# Altium PCB RS2-708_V008.PcbDoc (part 3 of 4) (continued)
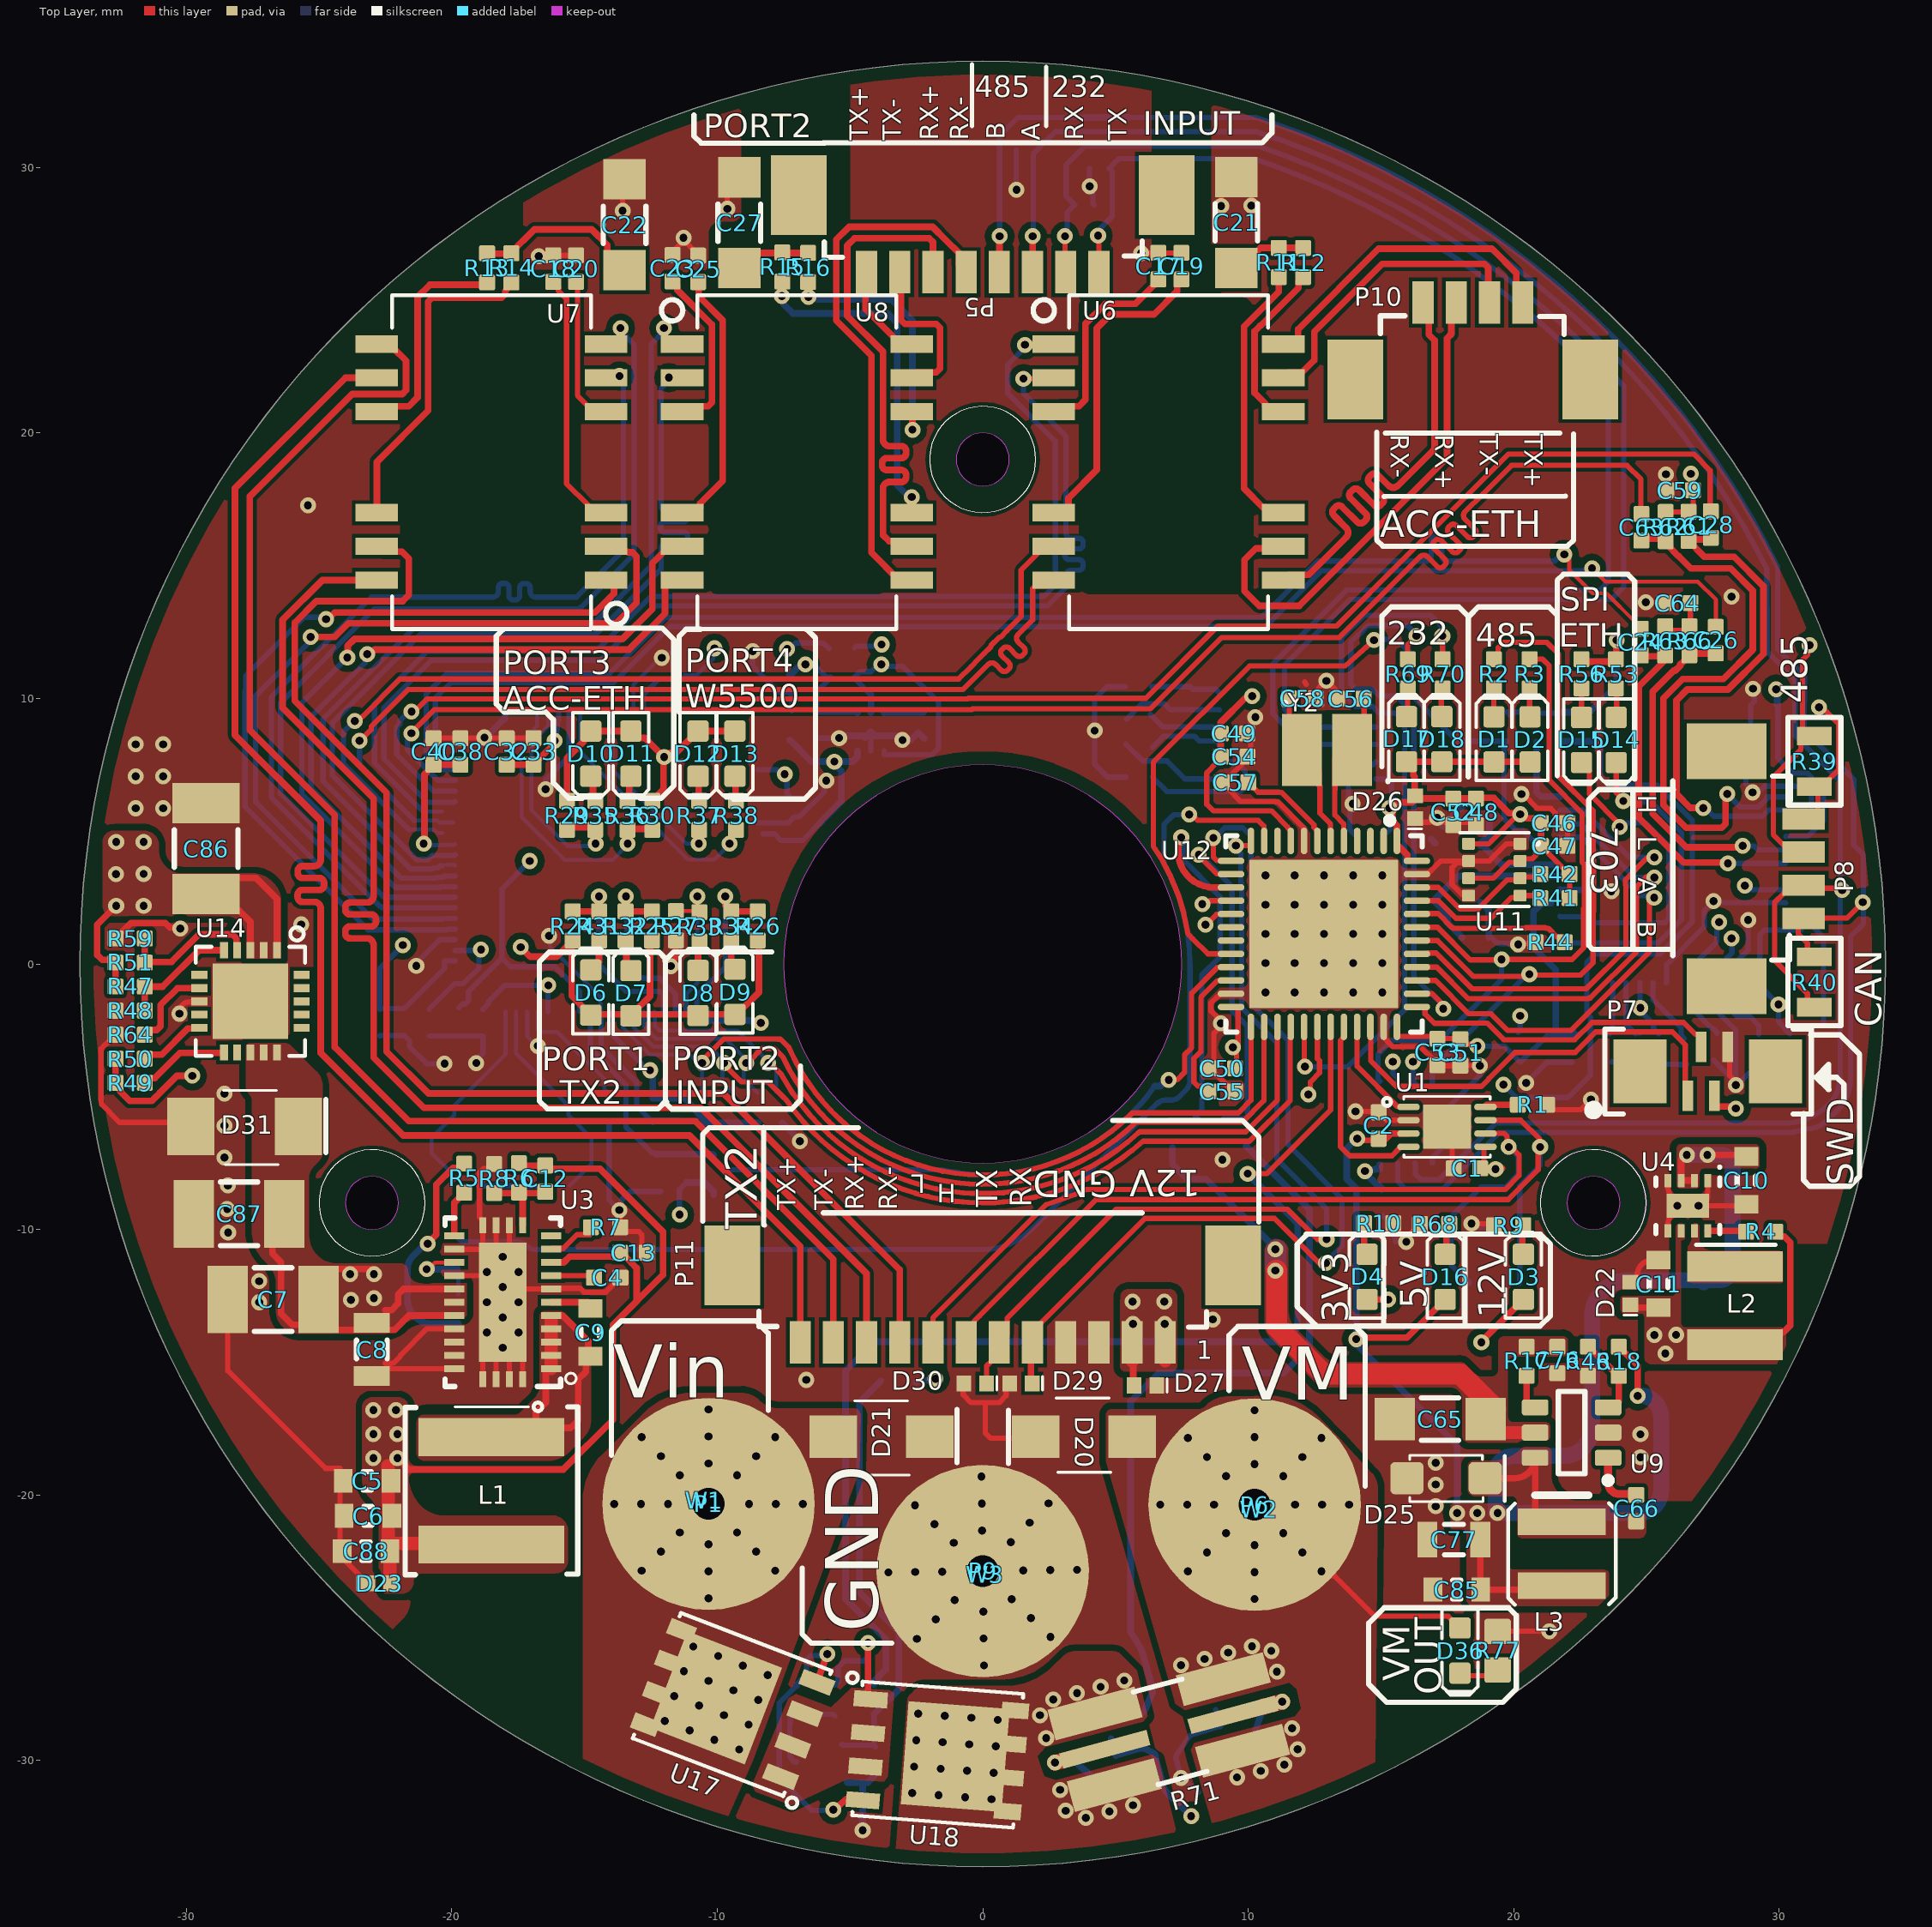
[diagram p0: Top Layer view]
## Nets (pads, with @x,y where several pads share a name; then routed paths per layer and width w, separated by ;. In a path a pad name is that pad's centre, name@x,y a point inside that pad or via, vN(x,y) a via of type N, cw(c..) or ccw(c..) an arc to the next point about the centre after c; other vN are vias at no path point) (continued)
  Bottom Layer w0.25: v1(-18.768,8.527) -18.728,8.527 -18.043,9.212 -18.023,9.212 -17.998,9.237 U10.21@-17.998,9.587 ; C43.2@-12.446,-5.91 C42.2@-11.455,-5.91 ; U10.61@-10.348,-1.813 -10.348,-2.135 -8.73,-2.135 -8.604,-2.261 -8.564,-2.221 v1(-8.354,-2.221) ; R22.2@-7.544,-5.986 -6.883,-6.646 v1(-6.883,-6.68) ; v1(-5.41,8.509) -5.326,8.594 -4.49,8.594 -4.425,8.529 U5.7@-4.216,8.738 -4.072,8.594 -3.278,8.594 -3.117,8.433 v1(-3.023,8.433) -2.71,8.433 -2.43,8.712 C16.2@-2.21,8.492 ; T1.2@-5.109,-30.82 -5.093,-30.835 -4.331,-30.835 R75.2@-4.094,-30.598 ; v1@-4.522,-32.664 -4.522,-30.938 ; Y3.2@16.885,4.699 Y3.2@17.037,4.547 ; v1(17.119,5.502) 17.119,5.374 17.317,5.176 C61.1@18.085,5.944 ; Y3.4@18.739,2.337 19.061,2.015 C60.1@19.061,0.991 ; U13.29@21.743,2.793 21.747,2.789 23.024,2.789 23.029,2.785 23.639,2.785 23.678,2.746 v1(23.678,2.737)
  other v1: -4.522,-32.632 17.059,-20.426 17.059,-19.608 17.059,-18.789 24.773,-18.576 24.773,-17.713 -6.641,-15.665 8.661,-13.391 -27.252,-12.742 -27.252,-11.947 15.954,-10.467 -28.423,-10.113 -28.457,-9.233 -28.426,-8.348 9.03,-7.37 -28.56,-7.295 -28.56,-6.091 -28.56,-4.887 8.969,-2.236 -31.9,5.863 -30.866,5.863 13.935,6.028 -31.9,7.068 -30.866,7.068 -31.9,8.272 -30.866,8.272 10.269,9.29 12.948,10.66 -12.09,11.532 -13.564,28.364
  other v2: 0.05,-26.422 -2.479,-25.415 0.036,-25.406 2.549,-25.345 -1.771,-24.687 1.821,-24.637 0.021,-24.39 -1.062,-23.959 1.093,-23.928 -3.556,-22.916 -2.54,-22.902 -1.524,-22.887 1.524,-22.844 2.54,-22.83 3.556,-22.816 -1.093,-21.803 1.062,-21.773 -0.021,-21.342 -1.821,-21.095 1.771,-21.045 -2.549,-20.387 -0.036,-20.326 2.479,-20.316 -0.05,-19.31 26.158,-9.106 10.652,-1.07 11.752,-1.07 12.852,-1.07 13.952,-1.07 15.052,-1.07 10.652,0.03 11.752,0.03 12.852,0.03 13.952,0.03 15.052,0.03 10.652,1.13 11.752,1.13 12.852,1.13 13.952,1.13 15.052,1.13 10.652,2.23 11.752,2.23 12.852,2.23 13.952,2.23 15.052,2.23 10.652,3.33 11.752,3.33 12.852,3.33 13.952,3.33 15.052,3.33
  other v3: -30.256,-1.874 -25.672,1.486 28.207,13.83 -25.415,17.274
  other v4: 0,-22.866
INPUT_OVLO: R47.1 R48.2 U14.5 | length 4.5
  Top Layer w0.25: R48.2@-31.562,-1.759 R47.1@-31.562,-0.854 -30.884,-0.854 -29.513,0.517 U14.5@-28.58,0.517
INPUT_UVLO: R51.1 R59.2 U14.4 | length 5.3
  Top Layer w0.25: R51.1@-31.588,0.076 -30.558,0.076 -29.523,1.111 -28.252,1.111 -28.105,0.965 -28.105,0.542 U14.4@-28.08,0.517 ; R51.1@-31.562,0.051 R59.2@-31.562,0.957
KSZ_ISET: R23.2 U10.77 | length 4.8
  Bottom Layer w0.15: U10.77@-16.773,-1.788 -16.773,-2.467 -16.685,-2.555 -16.021,-2.555 -14.248,-4.329 -14.248,-4.71 R23.2@-14.072,-4.886 ; R23.2@-14.16,-4.975 R23.2@-14.021,-5.114
KSZ_MISO: R22.1 U10.66 U12.27 | length 31.2
  Top Layer w0.2: v1@-8.132,-3.608 -7.609,-4.131 cw(c-7.75,-4.273) -7.575,-4.176 ccw(c0,0) -7.206,-4.785 cw(c-7.373,-4.896) -7.18,-4.842 ; -7.162,-4.851 ccw(c0,0) -7.138,-4.885 ccw(c0,0) 5.849,-6.373 ccw(c0,0) 5.913,-6.313 5.944,-6.325 9.905,-6.325 11.093,-5.137 11.093,-2.379 U12.27@11.102,-2.37
  Bottom Layer w0.15: U10.66@-12.373,-1.788 -12.348,-1.813 -12.348,-2.332 -12.166,-2.513 -9.247,-2.513 -8.28,-3.48 ; v1@-7.982,-3.736 -7.772,-3.946 R22.1@-7.772,-4.826
  other v1: -8.077,-3.73
KSZ_MOSI: R21.1 U10.68 U12.28 | length 32.8
  Top Layer w0.2: v1@-9.779,-3.738 -9.779,-3.747 -9.081,-4.445 -8.077,-4.445 -7.468,-5.055 ; -7.41,-5.108 ccw(c0,0) 6.026,-6.685 ; 6.045,-6.68 10.045,-6.68 11.582,-5.143 11.582,-2.8 11.593,-2.79 11.593,-2.379 U12.28@11.602,-2.37
  Bottom Layer w0.15: U10.68@-13.173,-1.788 -13.148,-1.813 -13.148,-2.38 -12.415,-3.113 -10.298,-3.113 v1@-9.817,-3.594 ; v1@-9.804,-3.785 -9.804,-4.378 -9.648,-4.534 -9.648,-4.661 -9.517,-4.792 R21.1@-9.39,-4.792
  other v1: -9.739,-3.73
KSZ_NCS: R20.1 U10.69 U12.25 | length 32
  Top Layer w0.2: v1@-10.617,-3.689 -9.759,-2.83 -7.704,-2.83 -7.7,-2.834 -7.621,-2.834 -7.311,-3.144 ; -7.304,-3.138 ccw(c0,0) 5.609,-5.634 ; 5.639,-5.613 9.627,-5.613 10.107,-5.133 10.107,-2.375 U12.25@10.102,-2.37
  Bottom Layer w0.15: U10.69@-13.573,-1.788 -13.548,-1.813 -13.548,-2.404 -12.539,-3.413 -11.065,-3.413 ; -11.043,-3.422 -10.566,-3.899 -10.566,-4.733 -10.368,-4.932 R20.1@-10.38,-4.945
  other v1: -10.57,-3.73
KSZ_nRST: C31.1 D5.2 R28.2 U10.72 U12.21 | length 33
  Top Layer w0.2: v1(7.005,-4.364) 7.32,-4.364 7.606,-4.078 7.606,-3.418 7.866,-3.159 7.866,-1.1 8.837,-0.129 9.343,-0.129 U12.21@9.352,-0.12
  Bottom Layer w0.2: U10.72@-14.773,-1.788 -14.773,-3.213 -13.437,-4.549 -13.437,-6.147 -13.24,-6.344 ; -13.233,-6.337 -12.444,-7.126 C31.1@-12.344,-7.126 ; D5.2@-10.135,-7.2 -10.135,-7.325 -9.771,-7.689 -9.712,-7.748 -1.544,-7.748 -1.299,-7.796 -1.283,-7.812 -1.161,-7.824 -1.141,-7.828 -1.121,-7.828 -0.987,-7.841 -0.976,-7.844 ccw(c0,-3.425) 0,-7.95 ccw(c0,0) 6.482,-4.602 ccw(c0,0) 6.503,-4.573
  Bottom Layer w0.25: C31.1@-12.344,-7.126 -12.307,-7.163 -10.172,-7.163 D5.2@-10.135,-7.2 ; 6.474,-4.602 6.482,-4.602 6.684,-4.602 6.922,-4.364 v1(7.005,-4.364)
KSZ_SCK: R19.1 U10.67 U12.26 | length 31.5
  Top Layer w0.2: v1@-8.81,-3.686 -8.305,-3.18 -7.849,-3.18 -7.527,-3.502 -7.527,-3.517 -7.51,-3.534 ccw(c0,0) 5.767,-5.969 ; 5.791,-5.963 9.772,-5.963 10.593,-5.142 10.593,-2.379 U12.26@10.602,-2.37
  Bottom Layer w0.15: U10.67@-12.773,-1.788 -12.748,-1.813 -12.748,-2.356 -12.291,-2.813 -9.698,-2.813 -9.189,-3.322 -9.189,-3.328 v1@-9.007,-3.51 ; v1@-9.007,-3.743 -9.007,-4.288 -9.032,-4.312 -8.492,-4.851 R19.1@-8.484,-4.851
  other v1: -8.908,-3.73
LED1_0: R24.1 R31.1 U10.65 | length 7.4
  Top Layer w0.25: R24.1@-15.443,1.981 R31.1@-14.448,1.981 -14.335,1.981 R31.1@-14.327,1.973
  Bottom Layer w0.2: v1@-14.474,2.66 -14.474,0.006 -13.429,-1.038 -12.17,-1.038 -12.023,-1.185 -12.023,-1.788 U10.65@-11.973,-1.788
  other v1: -14.454,2.542
LED1_1: R25.1 R32.1 U10.64 | length 6.7
  Top Layer w0.25: R32.1@-13.453,1.981 -12.518,1.981 R25.1@-12.459,1.922
  Bottom Layer w0.2: v1@-13.405,2.666 -13.405,-0.099 -12.98,-0.524 -12.837,-0.524 -12.819,-0.542 -12.171,-0.542 -11.573,-1.14 U10.64@-11.573,-1.788
  other v1: -13.437,2.542
LED2_0: R27.1 R33.1 U10.63 | length 5.7
  Top Layer w0.15: R27.1@-11.555,1.989 R33.1@-10.711,1.989 ; v1@-10.752,2.424 -10.752,2.029 R33.1@-10.711,1.989 ; R33.1@-10.691,1.969 R33.1@-10.711,1.989
  Bottom Layer w0.15: -11.173,-1.14 -10.752,-0.719 v1@-10.752,2.424
  Bottom Layer w0.2: U10.63@-11.173,-1.788 -11.173,-1.14
  other v1: -10.752,2.542
LED2_1: R26.1 R34.1 U10.62 | length 6.2
  Top Layer w0.25: v1@-9.693,2.3 -9.693,2.205 -9.626,2.138 -9.626,2.037 R34.1@-9.469,1.879 ; R34.1@-9.472,1.981 -8.485,1.981 R26.1@-8.389,1.885
  Bottom Layer w0.2: U10.62@-10.773,-1.788 -10.773,-1.2 -9.693,-0.12 v1@-9.693,2.3
  other v1: -9.693,2.542
LED3_0: R29.1 R35.1 U10.25 | length 8.5
  Top Layer w0.25: R29.1@-15.655,5.124 -15.637,5.142 R35.1@-14.693,5.142 ; R35.1@-14.596,5.1 -14.588,5.092 -14.588,4.513 v1@-14.581,4.505
  Bottom Layer w0.15: U10.25@-16.398,9.587 U10.25@-16.373,9.612 ; U10.25@-16.358,9.423 -16.358,8.966 -16.997,8.327 -16.997,5.798 -15.641,4.442 -14.644,4.442 v1@-14.581,4.505
  other v1: -14.581,4.532
LED3_1: R30.1 R36.1 U10.24 | length 10.5
  Top Layer w0.25: v1@-13.373,4.505 -13.377,4.509 -13.377,5.081 -13.381,5.085 R30.1@-12.435,5.085
  Bottom Layer w0.15: U10.24@-16.789,9.322 -16.789,8.959 -17.365,8.383 -17.365,5.536 -15.746,3.917 -13.936,3.917 -13.373,4.479 v1@-13.373,4.505
  other v1: -13.373,4.532
LED4_0: R37.1 U10.31 | length 7.6
  Top Layer w0.25: v1@-10.764,4.438 -10.686,4.515 -10.686,5.253 R37.1@-10.678,5.261
  Bottom Layer w0.15: U10.31@-13.973,9.612 -13.948,9.587 -13.948,9.105 -13.942,9.099 -13.942,7.311 -11.163,4.532 v1(-10.694,4.532)
LED4_1: R38.1 U10.28 | length 10
  Top Layer w0.25: v1@-9.532,4.505 -9.465,4.572 -9.465,5.005 R38.1@-9.294,5.177
  Bottom Layer w0.15: U10.28@-15.173,9.612 -15.154,9.592 -15.154,7.982 -11.098,3.927 -10.101,3.927 -9.532,4.495 v1@-9.532,4.505
  other v1: -9.532,4.532
LINKLED: D14.1 U13.25 | length 12.5
  Top Layer w0.2: D14.1@23.859,7.586 23.859,6.454 24.128,6.185 v1(24.128,6.137)
  Bottom Layer w0.2: U13.25@21.743,0.793 25.44,0.793 26.314,1.667 26.314,4.942 25.161,6.096 24.282,6.096 24.242,6.137 v1(24.128,6.137)
NetC4_1: C4.1 U3.8 | length 1.6
  Top Layer w0.2: U3.8@-16.252,-11.742 -14.779,-11.742 C4.1@-14.656,-11.864
NetC9_1: C9.1 L1.1 U3.1 U3.2 U3.3 U3.4 U3.5 | length 15.9
  Top Layer w0.25: L1.1@-18.505,-17.824 -18.121,-17.824 L1.1@-17.768,-17.824 ; L1.1@-17.809,-18.382 L1.1@-17.251,-17.824 ; U3.1@-16.252,-15.242 -16.454,-15.242 -16.454,-16.51 -16.824,-16.88 -16.824,-17.234 -17.414,-17.824 L1.1@-17.768,-17.824 ; U3.5@-16.252,-13.242 -15.818,-13.242 -14.86,-14.2 -14.86,-14.696 C9.1@-14.778,-14.778 ; C9.1@-14.778,-14.895 -14.839,-14.895 -14.948,-15.003 -14.948,-15.357 -15.235,-15.644 -15.235,-17.186 -15.526,-17.477 L1.1@-16.143,-17.477 ; L1.1@-17.768,-17.824 L1.1@-17.251,-17.824 ; L1.1@-17.251,-17.824 -16.49,-17.824 L1.1@-16.143,-17.477 ; L1.1@-17.251,-17.824 -16.904,-17.477 L1.1@-16.143,-17.477
  Top Layer w0.5: U3.1@-16.252,-15.242 U3.2@-16.252,-14.742 U3.3@-16.252,-14.242 U3.4@-16.252,-13.742 U3.5@-16.252,-13.367
NetC9_2: C9.2 U3.6 | length 1.9
  Top Layer w0.25: U3.6@-16.252,-12.742 -14.877,-12.742 -14.877,-13.034 C9.2@-14.73,-13.181
NetC12_2: C12.2 R6.1 R8.2 U3.12 | length 3.2
  Top Layer w0.25: R8.2@-18.399,-8.631 R6.1@-17.453,-8.631 ; R6.1@-17.474,-8.611 R6.1@-17.453,-8.631 ; U3.12@-17.327,-9.842 -17.327,-8.758 R6.1@-17.453,-8.631 ; C12.2@-16.53,-8.598 -16.564,-8.631 R6.1@-17.453,-8.631
NetC16_1: C16.1 U5.6 | length 1.5
  Bottom Layer w0.25: U5.6@-3.716,9.46 -3.716,9.463 -3.704,9.476 C16.1@-2.226,9.476
NetC17_1: C17.1 U6.3 | length 7.6
  Top Layer w0.25: U6.3@2.68,20.805 2.88,21.005 3.622,21.005 3.87,21.252 3.87,24.111 4.622,24.863 5.75,24.863 6.441,25.554 6.441,25.604 6.49,25.653 C17.1@6.54,25.653
NetC18_1: C18.1 U7.3 | length 9.4
  Top Layer w0.2: C18.1@-16.18,25.687 -15.98,25.487 -15.98,25.352 -15.672,25.044 -15.672,18.085 -14.855,17.268 -14.855,17.195 -14.653,16.993 U7.3@-14.58,16.993
NetC19_1: C19.1 U6.6 | length 11.9
  Top Layer w0.25: U6.6@2.68,16.995 3.034,16.995 3.234,17.195 3.234,17.549 4.296,18.611 4.296,23.935 4.824,24.463 6.454,24.463 7.327,25.337 7.327,25.627 C19.1@7.479,25.778
NetC20_1: C20.1 U7.6 | length 4.8
  Top Layer w0.2: -15.265,25.383 -15.265,21.412 U7.6@-14.681,20.828
NetC21_1: C21.1 R11.1 R12.1 | length 2.3
  Top Layer w0.25: C21.1@10.034,26.539 10.034,26.656 10.225,26.848 10.343,26.848 10.461,26.966 R11.1@11.151,26.966 R12.1@12.065,26.966
NetC22_1: C22.1 R13.1 R14.1 | length 6.4
  Top Layer w0.25: R13.1@-18.644,26.748 -17.799,26.748 -16.885,27.663 -14.728,27.663 -14.136,27.07 -14.136,26.763 -13.501,26.128 C22.1@-13.487,26.128
NetC23_1: C23.1 U8.3 | length 5.8
  Top Layer w0.254: C23.1@-11.681,25.697 -11.508,25.524 -11.508,25.386 -10.197,24.075 -10.197,21.152 -10.346,21.003 -10.647,21.003 U8.3@-10.767,20.883
NetC25_1: C25.1 U8.6 | length 9.5
  Top Layer w0.25: U8.6@-10.889,17.096 -10.744,17.096 -10.645,17.195 -10.645,17.34 -9.795,18.19 -9.795,24.241 -10.703,25.149 -10.703,25.662 C25.1@-10.718,25.678
NetC27_1: C27.1 R15.1 R16.1 | length 3
  Top Layer w0.254: C27.1@-9.312,26.055 -8.586,26.78 R16.1@-6.576,26.78
NetC55_1: C55.1 U12.22 | length 5.4
  Top Layer w0.2: C55.1@8.358,-4.849 8.358,-4.656 8.306,-4.605 8.113,-4.605 7.956,-4.448 7.956,-3.563 8.216,-3.303 8.216,-1.258 8.845,-0.629 9.343,-0.629 U12.22@9.352,-0.62
NetC62_1: C62.1 U13.20 | length 2.6
  Bottom Layer w0.2: U13.20@25.263,-0.727 U13.20@25.243,-0.707 25.243,-1.348 26.31,-2.414 26.31,-2.696 C62.1@26.425,-2.811
NetC64_1: C64.1 R63.1 R66.2 | length 2.1
  Top Layer w0.2: R63.1@25.701,12.72 25.869,12.553 R66.2@26.745,12.553 ; R66.2@26.656,12.568 26.656,13.591 C64.1@26.658,13.593
NetC66_1: C66.1 U9.1 | length 2.3
  Top Layer w0.3: U9.1@23.556,-18.601 23.556,-19.535 ccw(c23.983,-19.535) 23.983,-19.963 24.579,-19.963 cw(c24.579,-19.996) C66.1@24.612,-19.996
NetD1_1: D1.1 R2.2 | length 1.1
  Top Layer w0.2: R2.2@19.253,10.378 19.253,9.309 D1.1@19.256,9.306
NetD2_1: D2.1 R3.2 | length 1
  Top Layer w0.2: R3.2@20.598,10.378 20.598,9.369 D2.1@20.625,9.341
NetD3_1: D3.1 R9.2 | length 1.4
  Top Layer w0.25: D3.1@20.324,-11.007 20.324,-9.881 R9.2@20.361,-9.844 ; D3.1@20.508,-10.792 D3.1@20.64,-10.66
NetD4_1: D4.1 R10.2 | length 1.3
  Top Layer w0.25: R10.2@14.362,-9.762 14.362,-10.986 D4.1@14.42,-11.044
NetD6_1: D6.1 R31.2 | length 1.5
  Top Layer w0.254: D6.1@-14.832,-0.452 -14.832,-0.301 D6.1@-14.761,-0.229 -14.448,0.084 R31.2@-14.448,0.881
NetD7_1: D7.1 R32.2 | length 1.2
  Top Layer w0.254: R32.2@-13.453,0.881 -13.419,0.847 D7.1@-13.419,-0.317
NetD8_1: D8.1 R33.2 | length 1.1
  Top Layer w0.254: D8.1@-10.724,-0.245 -10.724,0.779 R33.2@-10.685,0.818
NetD9_1: D9.1 R34.2 | length 1.2
  Top Layer w0.25: R34.2@-9.472,0.881 -9.472,-0.3 D9.1@-9.469,-0.303
NetD10_1: D10.1 R35.2 | length 1
  Top Layer w0.25: D10.1@-14.761,7.069 -14.678,6.987 -14.678,6.33 R35.2@-14.515,6.166
NetD11_1: D11.1 R36.2 | length 1
  Top Layer w0.25: R36.2@-13.401,6.095 -13.316,6.18 -13.316,7.005 D11.1@-13.252,7.069
NetD12_1: D12.1 R37.2 | length 0.8
  Top Layer w0.25: D12.1@-10.724,7.069 -10.701,7.046 -10.701,6.291 R37.2@-10.692,6.282
NetD13_1: D13.1 R38.2 | length 0.9
  Top Layer w0.25: D13.1@-9.4,7.084 -9.313,6.997 -9.313,6.296 R38.2@-9.294,6.277
NetD14_2: D14.2 R53.1 | length 1.1
  Top Layer w0.2: R53.1@23.848,10.378 23.877,10.349 D14.2@23.877,9.319
NetD15_2: D15.2 R56.1 | length 1.3
  Top Layer w0.2: D15.2@22.537,9.11 22.55,9.124 R56.1@22.55,10.378
NetD16_1: D16.1 R68.2 | length 1.2
  Top Layer w0.25: D16.1@17.468,-10.972 R68.2@17.468,-9.751
NetD17_1: D17.1 R69.2 | length 1.2
  Top Layer w0.2: D17.1@15.911,9.181 16.008,9.277 R69.2@16.008,10.378
NetD18_1: D18.1 R70.2 | length 1.3
  Top Layer w0.2: D18.1@17.272,9.087 17.272,10.333 R70.2@17.318,10.378
NetD19_1: D19.1 R72.1 U17.1 U17.2 U17.3 U18.1 U18.2 U18.3 | length 4.7
  Top Layer w0.25: v1(-4.324,-25.571) -4.324,-27.594 U18.1@-4.22,-27.698
  Bottom Layer w0.2: R72.1@-5.569,-27.159 -5.453,-27.043 -5.453,-26.487 -5.215,-26.249 D19.1@-4.437,-26.249 ; D19.1@-4.437,-26.207 -4.324,-26.093 v1(-4.324,-25.571)
NetD19_2: D19.2 R73.1 U17.4 U18.4 | length 10.7
  Top Layer w0.25: U17.4@-6.244,-27.057 v1(-5.851,-25.991) ; v1(-5.625,-31.859) -5.098,-31.432 -4.994,-31.444 U18.4@-4.513,-31.496
  Bottom Layer w0.2: v1(-5.851,-25.991) -5.912,-26.052 -6.482,-26.052 D19.2@-6.637,-26.207 -6.637,-26.837 -6.76,-26.959 -6.844,-26.959 -7.002,-27.117 -7.002,-27.201 -7.029,-27.201 -7.665,-27.837 -7.665,-30.648 -6.431,-31.882 v1@-5.715,-31.882
NetD36_1: D36.1 R77.2 | length 1.6
  Top Layer w0.2: D36.1@18.031,-26.745 18.088,-26.803 R77.2@19.573,-26.803
NetL2_1: L2.1 U4.7 | length 1.8
  Top Layer w0.25: L2.1@26.68,-10.939 27.13,-11.389 L2.1@28.34,-11.389
NetR1_2: R1.2 U1.8 | length 1.3
  Top Layer w0.2: R1.2@20.007,-5.503 R1.2@20.024,-5.486
  Top Layer w0.25: U1.8@18.938,-5.388 cw(c19.022,-5.388) 19.022,-5.303 R1.2@20.155,-5.303
NetR4_2: R4.2 U4.8 | length 1.5
  Top Layer w0.25: U4.8@27.308,-10.056 28.721,-10.056 cw(c28.721,-10.088) R4.2@28.754,-10.088
NetR5_1: R5.1 U3.16 | length 1.8
  Top Layer w0.25: U3.16@-19.902,-10.242 -19.902,-8.996 R5.1@-19.526,-8.62
NetR7_2: R7.2 U3.10 | length 1.7
  Top Layer w0.2: U3.10@-16.252,-10.742 -16.227,-10.717 -15.797,-10.717 -15.279,-10.199 R7.2@-14.788,-10.199
NetR11_2: R11.2 U6.11 | length 10
  Top Layer w0.25: U6.11@10.836,16.916 10.836,17.004 10.645,17.195 10.557,17.195 9.841,17.91 9.841,24.005 11.151,25.314 R11.2@11.151,25.866
NetR12_2: R12.2 U6.14 | length 6.1
  Top Layer w0.25: U6.14@10.9,20.845 10.805,20.845 10.645,21.005 10.645,21.1 10.241,21.504 10.241,23.827 10.451,24.037 10.467,24.037 11.89,25.46 11.89,25.691 R12.2@12.065,25.866
NetR13_2: R13.2 U7.11 | length 7.8
  Top Layer w0.25: U7.11@-22.25,20.9 -22.145,21.005 -21.999,21.005 ; -21.999,21.006 -21.615,21.006 -21.285,21.336 -21.285,25.121 -20.828,25.578 -18.754,25.578 R13.2@-18.669,25.663
NetR14_2: R14.2 U7.14 | length 12.3
  Top Layer w0.25: U7.14@-22.82,16.995 -22.82,18.907 -20.885,20.841 -20.885,24.941 -20.739,25.088 -18.132,25.088 -17.985,25.234 -17.985,25.341 -17.93,25.397 -17.93,25.488 R14.2@-17.755,25.663
NetR15_2: R15.2 U8.11 | length 11.7
  Bottom Layer w0.25: v1(-7.567,25.156) -7.5,25.089 -7.5,24.845 -7.152,24.497 -3.576,24.497 -3.22,24.141 -3.22,18.029 -2.95,17.758 -2.941,17.758 v1@-2.731,17.548
  other v1: -2.671,17.583
NetR16_2: R16.2 U8.14 | length 9
  Top Layer w0.25: U8.14@-2.68,20.805 -2.645,20.77 v1(-2.645,20.12)
  Bottom Layer w0.25: v1@-6.492,25.053 -6.262,25.053 -6.24,25.031 -3.443,25.031 -2.645,24.234 v1(-2.645,20.12)
  other v1: -6.561,25.12
NetR17_1: R17.1 U9.4 | length 1.4
  Top Layer w0.25: R17.1@20.482,-15.516 20.482,-16.526 20.657,-16.701 U9.4@20.806,-16.701
NetR18_1: R18.1 R46.2 U9.3 | length 3
  Top Layer w0.25: R46.2@22.799,-14.416 R18.1@23.958,-15.516 23.958,-16.499 23.733,-16.724 U9.3@23.733,-16.794
NetR60_2: R60.2 U13.23 | length 2.8
  Bottom Layer w0.2: R60.2@23.614,-2.625 23.724,-2.515 23.724,-1.496 23.724,-0.727 U13.23@23.743,-0.707 23.743,-1.496
NetR65_1: R65.1 R74.2 R75.1 T1.1 | length 16.3
  Bottom Layer w0.2: T1.1@-5.311,-29.397 -5.285,-29.422 R75.1@-4.155,-29.422 ; R74.2@-4.094,-28.259 -4.094,-29.436 R75.1@-4.047,-29.483
  Bottom Layer w0.25: R74.2@-4.094,-28.259 -3.158,-27.324 -3.158,-25.149 -4.642,-23.666 -4.642,-16.509 R65.1@-3.834,-15.702
NetR67_1: R67.1 R78.1 U3.18 | length 3.4
  Top Layer w0.15: v1(-20.944,-11.495) -20.878,-11.495 -20.631,-11.248 -19.909,-11.248 U3.18@-19.902,-11.242
  Bottom Layer w0.15: R67.1@-19.894,-11.495 ccw(c-19.894,-11.295) R67.1@-19.752,-11.436 -19.752,-12.438 R78.1@-19.744,-12.446
  Bottom Layer w0.25: v1(-20.944,-11.495) R67.1@-19.894,-11.495
NetR71_1: R71.1 U18. U18.5 U18.6 U18.7 U18.8
  other v1: 3.879,-32.162 4.771,-31.923 3.123,-31.891 5.662,-31.684 2.913,-31.106 2.39,-29.153 2.159,-28.295 2.658,-27.703 3.55,-27.464 4.441,-27.226 5.333,-26.987
  other v3: 0.334,-31.46 -0.664,-31.383 -1.661,-31.306 -2.658,-31.229 0.411,-30.463 -0.587,-30.386 -1.584,-30.309 -2.581,-30.232 0.488,-29.466 -0.509,-29.389 -1.506,-29.312 -2.503,-29.235 0.565,-28.469 -0.432,-28.392 -1.429,-28.315 -2.426,-28.238
NetR72_2: R72.2 R73.2 T1.3 | length 3.6
  Bottom Layer w0.2: R73.2@-7.044,-28.259 -5.631,-28.259 R72.2@-5.569,-28.321 ; R73.2@-7.043,-28.22 -7.244,-28.42 -7.244,-28.557 -7.263,-28.576 -7.263,-29.837 -7.211,-29.889 -7.211,-29.947 -7.111,-30.047 T1.3@-7.011,-30.047
nRST: C57.1 U12.7 | length 3.8
  Top Layer w0.2: C57.1@9.998,6.841 10.37,6.469 11.159,6.469 11.17,6.458 11.257,6.458 12.477,5.238 12.477,5.144 12.602,5.019 U12.7@12.602,4.63
OSC_IN: C56.2 U12.5 Y2.2 | length 5.3
  Top Layer w0.2: Y2.2@13.363,7.822 13.269,7.728 13.269,6.564 13.26,6.555 13.26,5.612 13.593,5.279 13.593,4.773 U12.5@13.598,4.768 ; Y2.2@13.919,8.059 14.367,8.508 C56.2@14.367,9.891
OSC_OUT: C58.2 U12.6 Y2.1 | length 5.9
  Top Layer w0.2: Y2.1@11.463,7.822 Y2.1@11.803,7.481 ; Y2.1@11.543,9.211 C58.2@11.543,9.958 ; Y2.1@11.803,6.895 Y2.1@11.803,7.481 ; Y2.1@12.048,7.844 12.669,7.224 12.669,6.722 12.698,6.692 12.698,6.499 12.702,6.495 12.702,5.674 13.093,5.284 U12.6@13.093,4.638 ; Y2.1@12.101,7.184 Y2.1@11.803,7.481
PWR_ERR-FLAG: R49.2 U14.11 | length 3.5
  Top Layer w0.25: R49.2@-31.562,-4.475 -31.387,-4.3 -31.187,-4.3 -30.236,-3.35 -28.596,-3.35 U14.11@-28.58,-3.333
PWR_I-SET: R64.2 U14.7 | length 3.2
  Top Layer w0.25: R64.2@-31.562,-2.664 -31.387,-2.489 -31.109,-2.489 -30.962,-2.343 -30.962,-1.548 -30.325,-0.91 -29.507,-0.91 U14.7@-29.505,-0.908
PWR_V-FLAG: R50.2 U14.10 | length 2.5
  Top Layer w0.25: R50.2@-31.562,-3.57 -31.409,-3.417 -30.924,-3.417 -29.94,-2.433 -29.53,-2.433 U14.10@-29.505,-2.408
RS232_RX: D34.2 P5.2 U16.13 | length 54.9
  Top Layer w0.2: v1(3.099,27.407) 3.099,26.625 3.15,26.575 P5.2@3.125,26.55
  Bottom Layer w0.2: v1(3.099,27.407) 3.175,27.483 3.175,27.722 3.177,27.724 3.177,28.296 3.468,28.588 3.143,28.913 3.143,30.094 3.405,30.356 3.847,30.798 10.38,30.798 10.397,30.798 ; 10.374,30.8 cw(c0,0) 24.092,21.813 ; U16.13@14.812,8.921 12.049,8.921 11.368,9.601 11.368,11.245 13.855,13.731 23.677,13.731 24.145,14.199 24.145,21.785
RS232_TX: D35.2 P5.1 U16.14 | length 52.8
  Top Layer w0.2: v1(4.343,27.432) 4.375,27.4 P5.1@4.375,26.55
  Bottom Layer w0.2: v1(4.343,27.432) 4.42,27.509 4.42,27.693 4.875,28.148 4.875,29.858 D35.2@4.78,29.953 ; D35.2@4.755,29.953 4.955,30.153 5.131,30.328 10.207,30.328 ; 10.221,30.324 cw(c0,0) 23.557,21.658 ; U16.14@14.812,8.271 12.085,8.271 10.927,9.429 10.927,11.298 13.71,14.081 23.249,14.081 23.56,14.392 23.56,21.65
RS485_A: D37.1 P5.3 P8.3 R40.2 U2.6 | length 84.4
  Top Layer w0.2: P8.3@30.295,2.788 30.295,2.739 30.218,2.662 30.169,2.662 29.832,2.325 29.832,0.115 31.063,-1.116 31.063,-1.378 31.313,-1.628 R40.2@31.575,-1.628 ; P8.3@30.834,2.849 32.304,2.849 v1(32.373,2.78)
  Top Layer w0.254: P5.3@1.875,26.55 1.778,26.647 1.88,26.749 v1(1.88,27.407)
  Bottom Layer w0.2: v1(1.88,27.407) 1.905,27.432 1.905,30.51 2.485,31.09 ; 2.487,31.088 2.742,31.344 10.277,31.344 10.349,31.335 cw(c-0.077,-0.233) 29.529,14.891 29.554,12.001 29.554,11.999 29.554,11.745 30.602,10.697 30.602,10.044 30.596,10.038 30.596,8.593 32.294,6.895 v1@32.294,3.048 ; U2.6@16.281,-7.496 16.299,-7.514 16.299,-7.914 16.508,-8.123 17.195,-8.123 19.324,-5.994 30.382,-5.994 ccw(c30.1,-3.474) 30.394,-5.993 ccw(c30.1,-3.474) 31.893,-5.268 ccw(c30.875,-4.294) 32.283,-4.294 32.296,-4.281 32.296,2.703 v1(32.373,2.78) ; v1@32.283,2.78 v1@32.283,2.976
RS485_B: D37.2 P5.4 P8.4 R40.1 U2.7 | length 86
  Top Layer w0.2: P8.4@30.509,1.704 30.717,1.496 30.717,1.129 31.063,0.784 31.063,0.522 31.313,0.272 R40.1@31.575,0.272 ; P8.4@31.217,1.726 32.552,1.726 v1(33.149,2.323)
  Top Layer w0.254: P5.4@0.625,26.55 0.625,27.397 v1(0.635,27.407)
  Bottom Layer w0.2: v1(0.635,27.407) 0.635,31.191 1.321,31.877 3.835,31.877 ; 5.486,31.877 10.262,31.877 ; 10.304,31.876 cw(c0.029,0.089) 29.939,14.968 29.939,11.855 30.952,10.842 30.952,9.899 30.946,9.893 30.946,8.812 30.952,8.806 32.808,6.949 32.808,4.479 33.172,4.115 33.172,1.517 32.683,1.028 32.683,-4.309 cw(c30.953,-4.309) 32.177,-5.532 31.857,-5.852 cw(c30.963,-4.96) 31.006,-6.222 ccw(c31.013,-6.422) 30.953,-6.231 cw(c30.1,-3.474) 30.546,-6.325 30.527,-6.344 30.382,-6.344 24.926,-6.344 20.041,-6.344 19.585,-6.344 19.469,-6.344 17.34,-8.473 15.918,-8.473 15.631,-8.186 U2.7@15.631,-7.496
  Bottom Layer w0.25: 3.835,31.877 5.486,31.877
RXE_485: U2.2 U12.17 | length 11.9
  Top Layer w0.2: v1@8.501,1.565 8.807,1.871 9.343,1.871 U12.17@9.352,1.88
  Layer 2 w0.2: v1@8.446,1.375 9.353,0.468 9.353,-1.043 10.647,-2.337 14.097,-2.337 v1(15.443,-3.683)
  Bottom Layer w0.2: v1(15.443,-3.683) 15.446,-3.686 15.446,-4.129 15.563,-4.246 15.581,-4.246 15.631,-4.296 U2.2@15.631,-4.496
  other v1: 8.389,1.475
SW_5V: C66.2 D25.1 L3.1 U9.6 | length 4.7
  Top Layer w0.25: D25.1@18.926,-19.368 20.039,-19.368 ccw(c20.039,-18.601) U9.6@20.804,-18.649 ; L3.1@20.804,-21.015 U9.6@20.804,-18.649 ; U9.6@20.806,-18.601 cw(c20.039,-18.601) U9.6@20.804,-18.649
  Top Layer w0.5: D25.1@18.926,-19.368 D25.1@18.931,-19.363
SWDCLK: P7.2 U12.37 | length 12.4
  Top Layer w0.2: U12.37@16.352,-1.62 16.638,-1.62 16.661,-1.643 16.661,-1.888 17.012,-2.239 17.718,-2.239 17.731,-2.226 18.995,-2.226 19.625,-2.856 22.299,-2.856 22.951,-2.204 26.398,-2.204 26.838,-2.645 26.958,-2.645 27.131,-2.818 P7.2@27.131,-3.22
SWDIO: P7.1 U12.34 | length 16.7
  Top Layer w0.15: U12.34@14.602,-2.37 U12.34@14.622,-2.389
  Top Layer w0.2: U12.34@14.612,-2.56 14.612,-3.648 15.576,-4.611 18.782,-4.611 19.059,-4.335 19.059,-4.319 20.045,-3.333 22.318,-3.333 23.088,-2.562 25.978,-2.562 26.458,-3.042 26.458,-5.224 P7.1@26.523,-5.289
TX2_DBG_UART1_RX: D29.1 P11.5 U12.13 | length 36.4
  Top Layer w0.2: P11.5@1.875,-14.95 2.15,-14.675 2.15,-13.55 6.113,-9.587 10.99,-9.587 12.695,-11.292 12.726,-11.261 v1(12.93,-11.261) ; v1(8.687,4.747) 8.687,4.022 8.819,3.89 9.343,3.89 U12.13@9.352,3.88
  Top Layer w0.25: P11.5@1.817,-14.603 1.817,-14.95 1.817,-15.747 D29.1@1.866,-15.795
  Bottom Layer w0.2: v1(8.687,4.747) 8.738,4.747 9.119,5.129 9.797,5.129 10.102,4.823 10.102,-1.488 11.499,-2.885 11.499,-6.809 13.531,-8.84 13.531,-10.63 13.165,-10.996 13.165,-11.031
TX2_DBG_UART1_TX: D30.1 P11.6 U12.12 | length 33.4
  Top Layer w0.2: D30.1@0.145,-15.795 0.145,-15.139 0.325,-14.959 0.325,-14.95 0.338,-14.937 P11.6@0.347,-14.937 ; P11.6@0.625,-14.25 0.925,-13.95 0.925,-13.336 5.024,-9.237 11.478,-9.237 12.615,-10.375 12.953,-10.375 13.066,-10.375 13.048,-10.357 13.035,-10.37 v1(12.953,-10.37) ; v1(9.533,4.455) 10.079,4.455 10.102,4.478 U12.12@10.102,4.63
  Bottom Layer w0.2: v1(9.533,4.455) 9.533,4.347 9.722,4.157 9.722,3.076 9.752,3.046 9.752,-1.633 11.075,-2.956 11.075,-7.344 12.953,-9.222 v1(12.953,-10.37)
TXE_485: U2.3 U12.16 | length 13.5
  Top Layer w0.2: v1@8.228,2.248 v1(8.271,2.248) 8.43,2.248 8.562,2.38 U12.16@9.352,2.38
  Layer 2 w0.2: v1@8.353,2.313 9.703,0.964 9.703,-0.898 10.792,-1.987 14.569,-1.987 16.205,-3.623 v1(16.205,-3.683)
  Bottom Layer w0.2: v1(16.205,-3.683) 16.208,-3.686 16.208,-4.129 16.231,-4.152 16.231,-4.446 U2.3@16.281,-4.496
UART1_RX: R3.1 U2.1 U12.43 | length 26.6
  Top Layer w0.2: U12.43@16.352,1.38 17.134,1.38 18.359,0.155 19.527,0.155 v1(19.542,0.17) 22.195,0.17 22.636,0.611 22.636,2.092 22.654,2.111 22.654,3.753 22.575,3.832 22.575,5.676 21.335,6.916 21.335,11.234 21.091,11.478 R3.1@20.598,11.478
  Bottom Layer w0.2: U2.1@14.961,-4.42 14.893,-4.352 14.893,-3.395 15.418,-2.87 17.244,-2.87 19.542,-0.573 v1(19.542,0.17)
UART1_TX: R2.1 U2.4 U12.42 | length 28.3
  Top Layer w0.2: U12.42@16.352,0.88 17.13,0.88 18.48,-0.47 20.352,-0.47 20.365,-0.456 20.548,-0.456 20.59,-0.415 v1(20.59,-0.387) 20.622,-0.419 22.523,-0.419 22.986,0.044 22.986,1.947 23.004,1.966 23.004,3.898 22.986,3.916 22.986,5.773 21.685,7.074 21.685,11.677 21.252,12.11 19.614,12.11 19.412,11.908 19.412,11.638 R2.1@19.253,11.478
  Bottom Layer w0.2: U2.4@16.931,-4.496 16.931,-3.964 20.516,-0.38 20.523,-0.387 v1(20.59,-0.387)